# Altium PCB CC-B00-V00.PcbDoc (part 2 of 3)
Units mil, origin at the board's own origin, x right, y up, seen from the top; angles counter-clockwise.
Board outline 4330.71 x 2618.11 mil, 2 copper layers (Top Layer, Bottom Layer), stack 61.8 mil thick; 271 components, 197 nets, 827 pads, 294 vias.
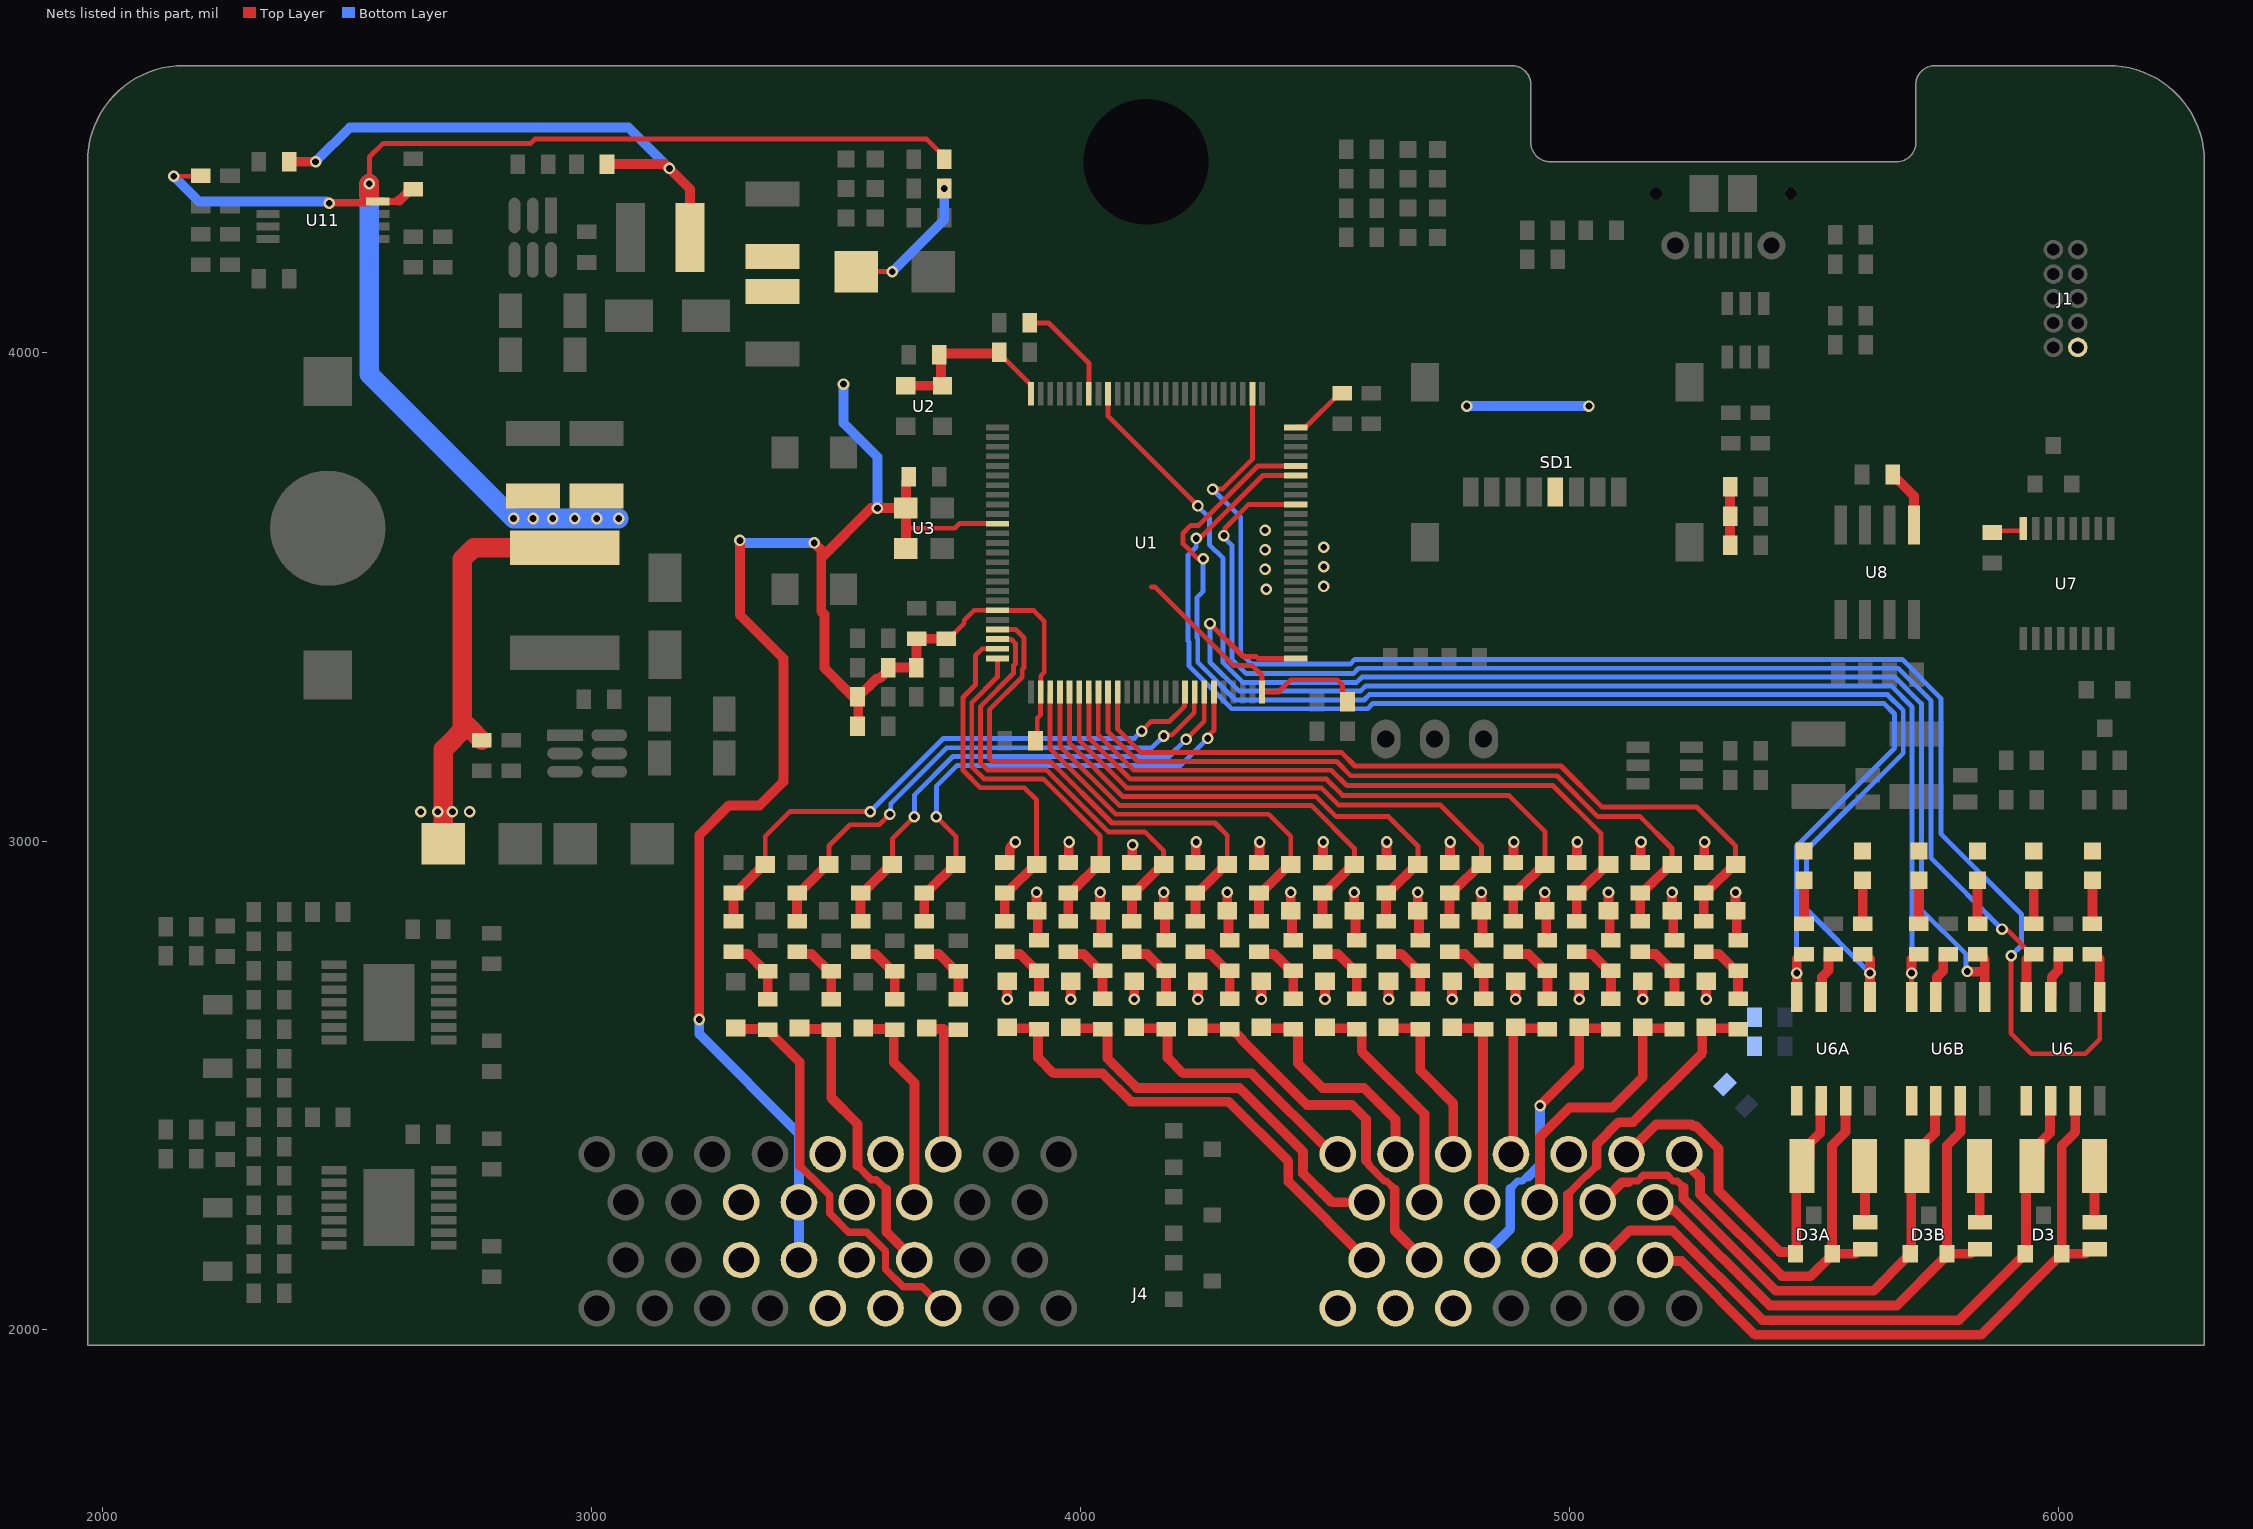
[diagram p2: the nets of this part, all layers, seen from the top]

## Part data
C1 C38: library part "4u7 50V 5% X7R 0603", "Capacitor, Ceramic, SMD, 4u7, 50V, 5%, X7R, 0603"
C2 C3 C4 C5 C6 C8 C12 C13 C17 C18 C19 C23 C24 C25 C25A C25B C37 C40 C41 C42 C44 C45 C47 C48 C49 C50 C51 C52 C53: library part "100nF 50V 5% X7R 0603", "Capacitor, Ceramic, SMD, 100nF, 50V, 5%, X7R, 0603"
C7 C39 C43: library part "1uF 25V 5% X7R 0603", "Capacitor, Ceramic, SMD, 1uF, 25V, 5%, X7R, 0603"
C9 C14 C15 C20 C21 C26A C26B C26C C26D C26E C26F C26G C26H C26I C26J C26K C26L C46A C46B C46C C46D: library part "10nF 50V 5% X7R 0603", "Capacitor, Ceramic, SMD, 10nF, 50V, 5%, X7R, 0603"
C10 C11: library part "2u2 25V 5% X7R 0603", "Capacitor, Ceramic, SMD, 2u2, 25V, 5%, X7R, 0603"
C16 C22: library part "47nF 50V 5% X7R 0603", "Capacitor, Ceramic, SMD, 47nF, 50V, 5%, X7R, 0603"
C27 C32: library part "100nF 100V 5% X7R 0603", "Capacitor, Ceramic, SMD, 100nF, 100V, 5%, X7R, 0603"
C28 C29 C33 C34: library part "22uF 35V 10% X7R 1206", "Capacitor, Ceramic, SMD, 22uF, 35V, 10%, X7R, 1206"
C30 C31 C35 C36: library part "47uF 16V 10% X7R 1210", "Capacitor, Ceramic, SMD, 47uF, 16V, 5%, X7R, 1210"
D1 D2: "Diode, SMD, Zenner, 3.3V, 2%, 410mW, SOD-123", ComponentLink1Description=Digikey, ComponentLink1URL=https://www.digikey.com.au/product-detail/en/vishay-semiconductor-diodes-division/BZT52B3V3-G3-08/BZT52B3V3-G3-08GICT-ND/8284035, ComponentLink2Description=Datasheet, ComponentLink2URL=https://www.vishay.com/docs/83340/bzt52g.pdf
D9A D9B D9C D9D D9E D9F D9G D9H D9I D9J D9K D9L D18A D18B D18C D18D: "Diode, SMD, Zenner, 3.3V, 2%, 410mW, SOD-323F", ComponentLink1Description=Digikey, ComponentLink1URL=https://www.digikey.com.au/product-detail/en/on-semiconductor/MM3Z3V3B/MM3Z3V3BCT-ND/1626881
D10A D10B D10C D10D D10E D10F D10G D10H D10I D10J D10K D10L D19A D19B D19C D19D: "12V Clamp 3.5A (8/20µs) Ipp Tvs Diode Surface Mount SOD-323"
D11 D13: "Diode, Schottky Barrier Rectifier, 60 V, 2 A, B260A-13-F"
D12 D14 D15: "Diode, SMD, TVS Diode, 15V 24.4V, DO214AA/SMB", ComponentLink1Description=Digikey, ComponentLink1URL=https://www.digikey.com.au/product-detail/en/littelfuse-inc/SMBJ15CA/SMBJ15CALFCT-ND/285983, ComponentLink2Description=Datasheet, ComponentLink2URL=https://www.littelfuse.com/~/media/electronics/datasheets/tvs_diodes/littelfuse_tvs_diode_smbj_datasheet.pdf.pdf
D16 D17: "Very low capacitance ESD protection, 3.5 pF, -40 to 125 degC, 6-Pin SOT23, RoHS, Tape and Reel"
DS1.2 DS1A DS1B DS2A DS2B DS2C: library part "LED BLUE 0603"
DS10: "Blue, Red 465nm Blue, 630nm Red LED Indication - Discrete 3.3V Blue, 1.95V Red Radial", ComponentLink1Description=Digikey, ComponentLink1URL=https://www.digikey.com.au/product-detail/en/sunled/XLMDKCBD34M/1497-1307-ND/4901632
J2: "Battery Retainer Coin, 12.0mm 1 Cell SMD (SMT) Tab"
J3A J3B J3C J7 J8: library part "Jumper 2Way Side Solderable", "Jumper 2Way Side Solderable"
J4: "Connector Header Through Hole, Right Angle 60 position 0.118\" (3.00mm)", ComponentLink1Description=Digikey, ComponentLink1URL=https://www.digikey.com.au/products/en?keywords=3-6437285-2, ComponentLink2Description=TE, ComponentLink2URL=https://www.te.com/global-en/product-3-6437285-2.html
J5: "Micro-USB B Receptacle, Right Angle, Bottom Mount, Surface Mount, with Solder Tabs, -30 to 85 degC, 5-Pin USB, RoHS, Tape and Reel"
J6 J9: library part "Jumper 2Way Vert Solderable", "Jumper 2Way Vert Solderable"
L1 L4: library part "10uH, 10%, 0603", "10uH, 10%, 0603", ComponentLink1Description=Digikey, ComponentLink1URL=https://www.digikey.com.au/product-detail/en/w%C3%BCrth-elektronik/74404064221/732-7261-1-ND/5353241, ComponentLink2Description="LCSC A", ComponentLink2URL=https://lcsc.com/product-detail/Power-Inductors_Sunlord-SWPA6045S221MT_C91047.html, ComponentLink3Description="LCSC B", ComponentLink3URL=https://lcsc.com/product-detail/Power-Inductors_SXN-Shun-Xiang-Nuo-Elec-SMNR6045-221MT_C467145.html
L2: "47µH Semi-Shielded Wirewound Inductor 600mA 620mOhm Nonstandard", ComponentLink1Description=Digikey, ComponentLink1URL=https://www.digikey.com/product-detail/en/w%C3%BCrth-elektronik/74404042470/732-5512-1-ND/4865405, ComponentLink2Description="LCSC A", ComponentLink2URL=https://lcsc.com/product-detail/Power-Inductors_Sunlord-SWPA6045S221MT_C91047.html, ComponentLink3Description="LCSC B", ComponentLink3URL=https://lcsc.com/product-detail/Power-Inductors_SXN-Shun-Xiang-Nuo-Elec-SMNR6045-221MT_C467145.html
L3: "FIXED IND 220UH 660MA 850 MOHM", ComponentLink1Description=Digikey, ComponentLink1URL=https://www.digikey.com.au/product-detail/en/w%C3%BCrth-elektronik/74404064221/732-7261-1-ND/5353241, ComponentLink2Description="LCSC A", ComponentLink2URL=https://lcsc.com/product-detail/Power-Inductors_Sunlord-SWPA6045S221MT_C91047.html, ComponentLink3Description="LCSC B", ComponentLink3URL=https://lcsc.com/product-detail/Power-Inductors_SXN-Shun-Xiang-Nuo-Elec-SMNR6045-221MT_C467145.html
LOGO1: library part "QUTMS Logo 10mm"
LOGO2: library part "QUTMS Logo 30mm"
R1: "Resistor, SMD, 4k7, 0.1W, 5%, 0603"
R2 R3 R4 R5 R6 R7 R10 R11 R12 R13 R14 R15: library part "4k7 5% 0603", "Resistor, SMD, 4k7, 0.1W, 5%, 0603"
R8 R16: library part "1k2 5% 0603", "Resistor, SMD, 1k2, 0.1W, 5%, 0603"
R9 R17: library part "47R 5% 0603", "Resistor, SMD, 47R, 0.1W, 5%, 0603"
R18 R18A R18B R19 R19A R19B: "Resistor, SMD, 330R, 0.1W, 5%, 0603"
R20 R20A R20B R57 R58: "Resistor, SMD, 120R, 0.25W, 1%, 1210"
R21 R22 R27 R30 R35 R39 R40 R41 R43 R55 R56: library part "1k 5% 0603", "Resistor, SMD, 1k, 0.1W, 5%, 0603"
R23A R23B R23C R23D R23E R23F R23G R23H R23I R23J R23K R23L R33 R52A R52B R52C R52D: library part "15k 5% 0603", "Resistor, SMD, 15k, 0.1W, 5%, 0603"
R24A R24B R24C R24D R24E R24F R24G R24H R24I R24J R24K R24L R32 R45 R46 R53A R53B R53C R53D R59: library part "10k 5% 0603", "Resistor, SMD, 10k, 0.1W, 5%, 0603"
R25A R25B R25C R25D R25E R25F R25G R25H R25I R25J R25K R25L R54A R54B R54C R54D: library part "22k 5% 0603", "Resistor, SMD, 22k, 0.1W, 5%, 0603"
R26: library part "64k9 1% 0603", "Resistor, SMD, 64k9, 0.1W, 5%, 0603"
R28: library part "19k6 1% 0603", "Resistor, SMD, 19k6, 0.1W, 5%, 0603"
R29: library part "111k 1% 0603", "Resistor, SMD, 111k, 0.1W, 5%, 0603"
R31: library part "20k 1% 0603", "Resistor, SMD, 20k, 0.1W, 1%, 0603"
R34 R36: library part "22R 5% 0603", "Resistor, SMD, 22R, 0.1W, 5%, 0603"
R37 R38 R42: library part "100k 5%, 0603", "Resistor, SMD, 100k, 0.1W, 5%, 0603"
R44 R48 R50: "Resistor, SMD, DNF, 0.1W, 0603"
R47 R51: library part "0R 5% 0603", "Resistor, SMD, 0R, 0.1W, 5%, 0603"
R49: library part "820R 5% 0603", "Resistor, SMD, 820R, 0.1W, 5%, 0603"
SD1: "MicroSD Card Connector, Hinge Type, -40 to 85 degC, 8-Pin SMD, RoHS, Tape and Reel"
SW1: "Standard 4.5mm X 4.5mm momentary button", ComponentLink1Description=LCSC, ComponentLink1URL=https://lcsc.com/product-detail/Tactile-Switches_BRIGHT-TSA063G50-250_C294565.html
U1: "ARM® Cortex®-M7 STM32F7 Microcontroller IC 32-Bit 216MHz 2MB (2M x 8) FLASH 100-LQFP (14x14)", ComponentLink1Description=Digikey, ComponentLink1URL=https://www.digikey.com/product-detail/en/stmicroelectronics/STM32F765VIT6/497-16631-ND/6137842, ComponentLink2Description=Datasheet
U2: "32.768kHz XO (Standard) CMOS Oscillator 1.8V ~ 3.3V 4-SMD, No Lead"
U3: "8MHz XO (Standard) CMOS Oscillator 1.8 ~ 3.3V Standby (Power Down) 4-SMD, No Lead"
U4 U5: "Power Switch/Driver 1:1 N-Channel 3A PG-TSDSO-14-22", ComponentLink1Description=Digikey, ComponentLink1URL=https://www.digikey.com/product-detail/en/infineon-technologies/BTS70802EPAXUMA1/BTS70802EPAXUMA1CT-ND/8346497, ComponentLink2Description=Datasheet, ComponentLink2URL=https://www.infineon.com/dgdl/Infineon-BTS7080-2EPA-DataSheet-v01_06-EN.pdf?fileId=5546d4625e763904015e941bf21e2dbe
U7: "MAX3232CPWR - IC, LINE DRIVER, 3-5.5V, SMD"
U8: "IC, RS422/RS485 TRANSCEIVER, 3.6V, SOIC8"
U11: "OR Controller Source Selector Switch N-Channel 2:1 8-TSSOP", ComponentLink1Description=Digikey, ComponentLink1URL=https://www.digikey.com.au/product-detail/en/texas-instruments/TPS2115AIPWRQ1/296-24155-1-ND/2000840
D3 D3A D3B D4 D5 D6 D7 D8: ComponentLink1Description=Datasheet, ComponentLink1URL=https://www.onsemi.cn/PowerSolutions/document/NUP2105L-D.PDF, ComponentLink2Description=LCSC, ComponentLink2URL=https://lcsc.com/product-detail/TVS_ON-Semiconductor-NUP2105LT1G_C14486.html, ComponentLink3Description=Digikey, ComponentLink3URL=https://www.digikey.com.au/product-detail/en/on-semiconductor/SZNUP2105LT1G/SZNUP2105LT1GOSCT-ND/3487669
U6 U6A U6B: ComponentLink1Description=LCSC, ComponentLink1URL=https://lcsc.com/product-detail/CAN-ICs_Texas-Instruments_SN65HVD233DRG4_Texas-Instruments-Texas-Instruments-SN65HVD233DRG4_C61643.html, ComponentLink2Description=Digikey, ComponentLink2URL=https://www.digikey.com.au/product-detail/en/texas-instruments/SN65HVD233DR/296-35967-1-ND/4134960, ComponentLink3Description=Datasheet, ComponentLink3URL=https://www.ti.com/lit/ds/symlink/sn65hvd233.pdf?ts=1588560888178, ComponentLink4Description="Ti Product Page", ComponentLink4URL=https://www.ti.com/product/SN65HVD233

## Free pads (board coordinates)
  round 0 hole 255.91 mask+39.37: A35(4133.86,4389.76)

## Via types
v1: diameter 23.62, hole 13.78, Top Layer to Bottom Layer, tented both sides, 294 vias

## Nets (pads, with @x,y where several pads share a name; then routed paths per layer and width w, separated by ;. In a path a pad name is that pad's centre, name@x,y a point inside that pad or via, vN(x,y) a via of type N, cw(c..) or ccw(c..) an arc to the next point about the centre after c; other vN are vias at no path point)
3V3: C1.2 C2.2 C3.2 C4.2 C5.2 C6.2 C7.2 C8.2 C25.2 C25A.2 C25B.2 C30.2 C31.2 C38.2 C39.2 C40.2 C42.1 C51.1 C52.2 C53.2 D12.K DS1.2.1 DS1A.1 DS1B.1 DS2A.1 DS2B.1 DS2C.1 J1.1 J4.B13 J4.B21 L1.1 L2.2 R1.2 R26.2 R27.2 R46.2 SD1.4 U1.11 U1.20 U1.27 U1.50 U1.75 U1.100 U2.1 U2.4 U3.1 U3.4 U6.3 U6A.3 U6B.3 U7.16 U8.1 | length 7211.4
  Top Layer w10: D12.K@3541.26,4165 v1(3615,4165) ; 3642.6,3640 3742.78,3640 3752.19,3649.41 U1.11@3829.88,3649.41 ; R27.2@3721.24,4350 R27.2@3726.24,4345 ; C1.2@3725,3413.76 3730,3413.76 3762,3445.76 3762,3452 3782.25,3472.25 U1.20@3829.88,3472.25 3830.66,3471.47 3904.37,3471.47 3925.77,3450.06 3925.77,3345.43 3918.46,3338.12 U1.27@3918.46,3304.92 3917.68,3304.14 3917.68,3257.68 3911.45,3251.45 3911.45,3208.65 C3.2@3907.69,3204.89 ; C6.2@3833.76,3995 3843.76,3985 3846.65,3985 3898.77,3932.88 U1.100@3898.77,3915.16 ; 4145,3520 4151.89,3520 4312.35,3359.55 4350.59,3359.55 4371.22,3338.92 U1.50@4371.22,3304.92 4404.92,3304.92 4430,3330 4525,3330 4536.24,3318.76 4536.24,3295 C4.2@4546.24,3285 ; U1.75@4440.11,3846.26 4441.02,3847.17 4460.93,3847.17 4530,3916.24 C5.2@4535,3916.24 ; C42.1@5865,3631.24 5868.76,3635 5925.33,3635 5928.2,3637.87 U7.16@5928.2,3639.11
  Top Layer w20: R46.2@2381.24,4390 v1(2435,4390) ; R26.2@3027.62,4385 3149.02,4385 3157.94,4376.08 v1(3158.92,4376.08) 3201.02,4333.98 L2.2@3201.02,4235 ; v1(3220,2635) 3220,3012.77 3280.23,3073 3343.4,3073 3392,3121.6 3392,3373.4 3303.19,3462.21 v1(3303.19,3615) ; v1(3455,3610) 3469.5,3595.5 3469.5,3579.5 ; C7.2@3545,3235 C8.2@3545,3295 ; 3571.34,3681.34 3469.5,3579.5 ; v1@3584.39,3681.34 U3.1@3642.6,3681.34 ; U3.4@3642.6,3598.66 3642.6,3640 U3.1@3642.6,3681.34 ; U2.1@3642.6,3931.34 U2.4@3717.4,3931.34 3714.32,3934.42 3714.32,3991.92 C52.2@3711.24,3995 3713.74,3997.5 3831.26,3997.5 C6.2@3833.76,3995 ; C53.2@3648.76,3745 3648.76,3740 3642.6,3733.83 U3.1@3642.6,3681.34 ; v1(3721.24,4335) 3721.24,4340 R27.2@3726.24,4345 ; C1.2@3725,3413.76 C2.2@3665,3413.76 3664.38,3413.15 3664.38,3355.62 L1.1@3663.76,3355 R1.2@3606.24,3355 3606.24,3350 3589.24,3333 3583,3333 C8.2@3545,3295 ; C40.2@5328.76,3605 C39.2@5328.76,3665 C38.2@5328.76,3725 ; U6A.3@5514.93,2681.28 5516.74,2683.09 5516.74,2721.74 5530,2735 5530,2763.76 5535,2768.76 C25A.2@5540,2768.76 ; C51.1@5661.24,3750 5661.24,3745 5666.24,3740 5671.24,3740 5705,3706.24 U8.1@5705,3647.05 ; U6B.3@5749.93,2681.28 5751.74,2683.09 5751.74,2721.74 5765,2735 5765,2763.76 5770,2768.76 C25B.2@5775,2768.76 ; U6.3@5984.93,2681.28 5986.74,2683.09 5986.74,2721.74 6000,2735 6000,2763.76 6005,2768.76 C25.2@6010,2768.76 ; 3469.5,3579.5 3469.5,3470 3476,3463.5 3476,3354 3535,3295 C8.2@3545,3295
  Bottom Layer w20: v1(2435,4390) 2505,4460 3075,4460 v1(3158.92,4376.08) ; v1(3220,2635) 3220,2605 3423.86,2401.14 J4.B13@3423.86,2261.12 J4.B21@3423.86,2143.01 ; v1(3303.19,3615) 3304.17,3615 3309.17,3610 v1(3455,3610) ; v1(3515,3935) 3515,3855 3584.39,3785.61 v1(3584.39,3681.03) ; v1(3615,4165) 3721.24,4271.24 v1(3721.24,4335) ; v1(4790,3890) v1(5040,3890)
  other v1: 4380,3515 4497.5,3521.02 4377.5,3556.02 4497.5,3561.02 4377.5,3596.02 4497.5,3601.02 4377.5,3636.02
5V: C35.2 C36.2 C45.2 D15.K J4.B12 J4.B20 L3.2 R29.2 R30.2 R47.2 U11.8 | length 3759.6
  Top Layer w10: v1(2145,4360) 2198.76,4360 R47.2@2200,4361.24 ; v1(2545,4345) 2545,4399.54 2572.46,4427 2874.4,4427 2883.4,4436 3685.24,4436 3711.24,4410 R30.2@3721.24,4410 ; U11.8@2572.13,4308.39 U11.8@2573.74,4310 ; C45.2@2630,4333.76 C45.2@2635,4333.76
  Top Layer w15: v1(2462.92,4305) 2464.09,4306.17 2542.78,4306.17 2545,4308.39 U11.8@2562.2,4308.39 ; U11.8@2562.2,4310 U11.8@2573.74,4310 ; U11.8@2572.13,4308.39 2602.51,4308.39 2604.62,4310.5
  Top Layer w20: 2604.62,4310.5 2606.74,4310.5 C45.2@2630,4333.76
  Top Layer w40: 2545,4322.31 v1(2545,4345) ; D15.K@2696.26,2995 2696.26,3060 2696.26,3187.5 2745,3236.24 2755,3226.24 R29.2@2775,3206.24 ; 2735,3226.24 2735,3576.57 2758.43,3600 L3.2@2945,3600
  Bottom Layer w20: v1(2145,4360) 2196.61,4308.39 2456.61,4308.39 2460,4305 v1(2462.92,4305)
  Bottom Layer w40: v1(2545,4345) 2545,3955 v1(2840,3660) v1(2880,3660) v1(2920,3660) v1(2965,3660) v1(3010,3660) v1(3055,3660)
  other v1: 2650,3060 2685,3060 2715,3060 2750,3060
ADIVIDEA: R23A.1 R24A.2 R25A.2 | length 143.6
  Top Layer w20: R24A.2@4105,2773.76 4110,2768.76 4136.24,2768.76 4170,2735 R25A.2@4175,2735 R23A.1@4175,2677.47
ADIVIDEB: R23B.1 R24B.2 R25B.2 | length 143.6
  Top Layer w20: R24B.2@4365,2773.76 4370,2768.76 4396.24,2768.76 4430,2735 R25B.2@4435,2735 R23B.1@4435,2677.47
ADIVIDEC: R23C.1 R24C.2 R25C.2 | length 143.6
  Top Layer w20: R24C.2@4625,2773.76 4630,2768.76 4656.24,2768.76 4690,2735 R25C.2@4695,2735 R23C.1@4695,2677.47
ADIVIDED: R23D.1 R24D.2 R25D.2 | length 143.6
  Top Layer w20: R24D.2@4885,2773.76 4890,2768.76 4916.24,2768.76 4950,2735 R25D.2@4955,2735 R23D.1@4955,2677.47
ADIVIDEE: R23E.1 R24E.2 R25E.2 | length 143.6
  Top Layer w20: R24E.2@3975,2773.76 3980,2768.76 4006.24,2768.76 4040,2735 R25E.2@4045,2735 R23E.1@4045,2677.47
ADIVIDEF: R23F.1 R24F.2 R25F.2 | length 143.6
  Top Layer w20: R24F.2@4495,2773.76 4500,2768.76 4526.24,2768.76 4560,2735 R25F.2@4565,2735 R23F.1@4565,2677.47
ADIVIDEG: R23G.1 R24G.2 R25G.2 | length 143.6
  Top Layer w20: R24G.2@4755,2773.76 4760,2768.76 4786.24,2768.76 4820,2735 R25G.2@4825,2735 R23G.1@4825,2677.47
ADIVIDEH: R23H.1 R24H.2 R25H.2 | length 143.6
  Top Layer w20: R24H.2@5145,2773.76 5150,2768.76 5176.24,2768.76 5210,2735 R25H.2@5215,2735 R23H.1@5215,2677.47
ADIVIDEI: R23I.1 R24I.2 R25I.2 | length 143.6
  Top Layer w20: R24I.2@3845,2773.76 3850,2768.76 3876.24,2768.76 3910,2735 R25I.2@3915,2735 R23I.1@3915,2677.47
ADIVIDEJ: R23J.1 R24J.2 R25J.2 | length 143.6
  Top Layer w20: R24J.2@4235,2773.76 4240,2768.76 4266.24,2768.76 4300,2735 R25J.2@4305,2735 R23J.1@4305,2677.47
ADIVIDEK: R23K.1 R24K.2 R25K.2 | length 143.6
  Top Layer w20: R24K.2@5015,2773.76 5020,2768.76 5046.24,2768.76 5080,2735 R25K.2@5085,2735 R23K.1@5085,2677.47
ADIVIDEL: R23L.1 R24L.2 R25L.2 | length 143.6
  Top Layer w20: R24L.2@5275,2773.76 5280,2768.76 5306.24,2768.76 5340,2735 R25L.2@5345,2735 R23L.1@5345,2677.47
AGND: C26A.1 C26B.1 C26C.1 C26D.1 C26E.1 C26F.1 C26G.1 C26H.1 C26I.1 C26J.1 C26K.1 C26L.1 D9A.A D9B.A D9C.A D9D.A D9E.A D9F.A D9G.A D9H.A D9I.A D9J.A D9K.A D9L.A D10A.A D10B.A D10C.A D10D.A D10E.A D10F.A D10G.A D10H.A D10I.A D10J.A D10K.A D10L.A J4.A5 J4.A20 J4.A21 J4.A22 L4.2 R25A.1 R25B.1 R25C.1 R25D.1 R25E.1 R25F.1 R25G.1 R25H.1 R25I.1 R25J.1 R25K.1 R25L.1 R44.2 R45.2 | length 2158.2
  Top Layer w20: C26I.1@3845,2956.24 3850,2956.24 3855,2961.24 3855,2985.4 3866.81,2997.21 v1(3866.81,2998.19) ; v1(3850,2676.24) D10I.A@3850,2713.48 ; v1(3910,2895) D9I.A@3910,2857.76 3912.5,2855.26 3912.5,2799.97 R25I.1@3915,2797.47 ; C26E.1@3975,2956.24 3975.77,2957 3975.77,2997.5 v1(3976.46,2998.19) ; v1(3980,2676.24) D10E.A@3980,2713.48 ; v1(4040,2895) D9E.A@4040,2857.76 4042.5,2855.26 4042.5,2799.97 R25E.1@4045,2797.47 ; C26A.1@4105,2956.24 4105.77,2957 4105.77,2991.5 v1(4106.46,2992.19) ; v1(4110,2676.24) D10A.A@4110,2713.48 ; v1(4170,2895) D9A.A@4170,2857.76 4172.5,2855.26 4172.5,2799.97 R25A.1@4175,2797.47 ; C26J.1@4235,2956.24 4235.77,2957 4235.77,2997.5 v1(4236.46,2998.19) ; v1(4240,2676.24) D10J.A@4240,2713.48 ; v1(4300,2895) D9J.A@4300,2857.76 4302.5,2855.26 4302.5,2799.97 R25J.1@4305,2797.47 ; C26B.1@4365,2956.24 4365.77,2957 4365.77,2997.5 v1(4366.46,2998.19) ; v1(4370,2676.24) D10B.A@4370,2713.48 ; v1(4430,2895) D9B.A@4430,2857.76 4432.5,2855.26 4432.5,2799.97 R25B.1@4435,2797.47 ; C26F.1@4495,2956.24 4495.77,2957 4495.77,2997.5 v1(4496.46,2998.19) ; v1(4500,2676.24) D10F.A@4500,2713.48 ; v1(4560,2895) D9F.A@4560,2857.76 4562.5,2855.26 4562.5,2799.97 R25F.1@4565,2797.47 ; C26C.1@4625,2956.24 4625.77,2957 4625.77,2997.5 v1(4626.46,2998.19) ; v1(4630,2676.24) D10C.A@4630,2713.48 ; v1(4690,2895) D9C.A@4690,2857.76 4692.5,2855.26 4692.5,2799.97 R25C.1@4695,2797.47 ; C26G.1@4755,2956.24 4755.77,2957 4755.77,2997.5 v1(4756.46,2998.19) ; v1(4760,2676.24) D10G.A@4760,2713.48 ; v1(4820,2895) D9G.A@4820,2857.76 4822.5,2855.26 4822.5,2799.97 R25G.1@4825,2797.47 ; C26D.1@4885,2956.24 4885.77,2957 4885.77,2997.5 v1(4886.46,2998.19) ; v1(4890,2676.24) D10D.A@4890,2713.48 ; v1(4950,2895) D9D.A@4950,2857.76 4952.5,2855.26 4952.5,2799.97 R25D.1@4955,2797.47 ; C26K.1@5015,2956.24 5015.77,2957 5015.77,2997.5 v1(5016.46,2998.19) ; v1(5020,2676.24) D10K.A@5020,2713.48 ; v1(5080,2895) D9K.A@5080,2857.76 5082.5,2855.26 5082.5,2799.97 R25K.1@5085,2797.47 ; C26H.1@5145,2956.24 5145.77,2957 5145.77,2997.5 v1(5146.46,2998.19) ; v1(5150,2676.24) D10H.A@5150,2713.48 ; v1(5210,2895) D9H.A@5210,2857.76 5212.5,2855.26 5212.5,2799.97 R25H.1@5215,2797.47 ; C26L.1@5275,2956.24 5275.77,2957 5275.77,2997.5 v1(5276.46,2998.19) ; v1(5280,2676.24) D10L.A@5280,2713.48 ; v1(5340,2895) D9L.A@5340,2857.76 5342.5,2855.26 5342.5,2799.97 R25L.1@5345,2797.47
AIN1: D10A.K J4.A1 R23A.2 | length 558.8
  Top Layer w20: D10A.K@4110,2618.99 4112,2617 4178,2617 4178,2557 4210,2525 4350,2525 4515.45,2359.55 J4.A1@4526.22,2359.55
AIN2: D10B.K J4.A2 R23B.2 | length 461.5
  Top Layer w20: D10B.K@4370,2618.99 4372,2617 4433,2617 R23B.2@4435,2615 4440,2615 4445,2610 4445,2545 4495,2495 4580,2495 4644.33,2430.67 J4.A2@4644.33,2359.55
AIN3: D10C.K J4.A3 R23C.2 | length 350
  Top Layer w20: D10C.K@4630,2618.99 4632,2617 4693,2617 R23C.2@4695,2615 4695,2530.94 4762.44,2463.5 J4.A3@4762.44,2359.55
AIN4: D10D.K J4.A4 R23D.2 | length 330
  Top Layer w20: J4.A4@4880.55,2359.55 4885.27,2364.27 4885.27,2614.27 D10D.K@4890,2618.99 4892,2617 4953,2617 R23D.2@4955,2615
AIN5: D10E.K J4.A8 R23E.2 | length 812.1
  Top Layer w20: D10E.K@3980,2618.99 3982,2617 4043,2617 R23E.2@4045,2615 4050,2615 4055,2610 4055,2555 4115,2495 4325,2495 4455,2365 4455,2320 4513.88,2261.12 J4.A8@4585.28,2261.12
AIN6: D10F.K J4.A9 R23F.2 | length 480.8
  Top Layer w20: D10F.K@4500,2618.99 4502,2617 4563,2617 R23F.2@4565,2615 4570,2615 4575,2610 4575,2570 4703.39,2441.61 J4.A9@4703.39,2261.12
AIN7: D10G.K J4.A10 R23G.2 | length 425.4
  Top Layer w20: D10G.K@4760,2618.99 4762,2617 4823,2617 4823.05,2616.95 4823.05,2257.68 J4.A10@4821.5,2256.12
AIN8: D10H.K J4.A11 R23H.2 | length 568.4
  Top Layer w20: J4.A11@4939.61,2256.12 4939.61,2394.61 5000,2455 5088.28,2455 5150,2516.72 D10H.K@5150,2618.99 5152,2617 5213,2617 R23H.2@5215,2615
AIN9: D10I.K J4.A14 R23I.2 | length 992
  Top Layer w20: D10I.K@3850,2618.99 3852,2617 3913,2617 3913,2557 3945,2525 4045,2525 4103,2467 4303,2467 4425,2345 4425,2303.29 J4.A14@4585.28,2143.01
AIN10: D10J.K J4.A15 R23J.2 | length 763.1
  Top Layer w15: 4583.72,2346.83 4589.33,2341.22 4589.33,2336.77 4621.55,2304.55 4626,2304.55 4642.78,2287.77
  Top Layer w20: D10J.K@4240,2618.99 4242,2617 4303,2617 R23J.2@4305,2615 4310,2615 4330,2595 4330,2592.99 4462.99,2460 4555,2460 4583.72,2431.28 4583.72,2346.83 ; 4642.78,2287.77 4642.78,2203.62 J4.A15@4703.39,2143.01
AIN11: D10K.K J4.A16 R23K.2 | length 631.4
  Top Layer w20: v1(4940,2458.68) 5020,2538.68 D10K.K@5020,2618.99 5022,2617 5083,2617 R23K.2@5085,2615
  Bottom Layer w15: 4879,2289 4894.55,2304.55 4903.33,2304.55 4912.41,2313.62 4915.79,2313.62
  Bottom Layer w20: J4.A16@4821.5,2143.65 4821.5,2148.65 4879,2206.15 4879,2289 ; 4915.79,2313.62 4915.94,2313.62 4940,2337.68 v1(4940,2458.68)
AIN12: D10L.K J4.A17 R23L.2 | length 706.2
  Top Layer w15: 4997.11,2276.83 5002.72,2282.44 5002.72,2283.91 5034.93,2316.12 5036.4,2316.12 5056.16,2335.89
  Top Layer w20: J4.A17@4939.61,2138.01 4997.11,2195.51 4997.11,2276.83 ; 5056.16,2335.89 5056.16,2380.25 5100.91,2425 5130,2425 5271.92,2566.92 5271.92,2613.2 5275.72,2617 5343,2617 R23L.2@5345,2615
AOUT1: C26A.2 D9A.K R24A.1 U1.23 | length 938.6
  Top Layer w10: U1.23@3829.88,3413.19 3830.66,3412.41 3858.88,3412.41 3866.5,3404.8 3866.5,3362.53 3862.77,3358.81 3862.77,3343.23 3795.48,3275.93 3795.48,3159.52 3809.82,3145.18 3930.72,3145.18 4056.9,3019 4131,3019 4170,2980 D9A.K@4170,2952.24
  Top Layer w20: R24A.1@4105,2836.24 C26A.2@4105,2893.76 4110,2893.76 4115,2898.76 4115,2899.53 4167.72,2952.24 D9A.K@4170,2952.24
AOUT2: C26B.2 D9B.K R24B.1 U1.28 | length 887.3
  Top Layer w10: U1.28@3938.14,3304.92 3937.83,3304.61 3937.83,3188.98 4071.81,3055 4385,3055 4430,3010 D9B.K@4430,2952.24
  Top Layer w20: R24B.1@4365,2836.24 C26B.2@4365,2893.76 4370,2893.76 4375,2898.76 4375,2899.53 4427.72,2952.24 D9B.K@4430,2952.24
AOUT3: C26C.2 D9C.K R24C.1 U1.30 | length 1089.2
  Top Layer w10: U1.30@3977.51,3304.92 3977.51,3200.21 4086.72,3091 4482.24,3091 4523.24,3050 4630,3050 4690,2990 D9C.K@4690,2952.24
  Top Layer w20: R24C.1@4625,2836.24 C26C.2@4625,2893.76 4630,2893.76 4635,2898.76 4635,2899.53 4687.72,2952.24 D9C.K@4690,2952.24
AOUT4: C26D.2 D9D.K R24D.1 U1.32 | length 1320.7
  Top Layer w10: U1.32@4016.89,3304.92 4016.89,3211.75 4101.63,3127 4502.81,3127 4536.15,3093.67 4876.33,3093.67 4950,3020 D9D.K@4950,2952.24
  Top Layer w20: R24D.1@4885,2836.24 C26D.2@4885,2893.76 4890,2893.76 4895,2898.76 4895,2899.53 4947.72,2952.24 D9D.K@4950,2952.24
AOUT5: C26E.2 D9E.K R24E.1 U1.25 | length 770
  Top Layer w10: U1.25@3829.88,3373.82 3829.88,3335.79 3777.48,3283.39 3777.48,3152.07 3802.37,3127.18 3923.27,3127.18 4040,3010.44 D9E.K@4040,2952.24
  Top Layer w20: R24E.1@3975,2836.24 C26E.2@3975,2893.76 3980,2893.76 3985,2898.76 3985,2899.53 4037.72,2952.24 D9E.K@4040,2952.24
AOUT6: C26F.2 D9F.K R24F.1 U1.29 | length 979.3
  Top Layer w10: U1.29@3957.83,3304.92 3957.83,3194.44 4079.27,3073 4471.96,3073 4560,2984.96 D9F.K@4560,2952.24
  Top Layer w20: R24F.1@4495,2836.24 C26F.2@4495,2893.76 4500,2893.76 4505,2898.76 4505,2899.53 4557.72,2952.24 D9F.K@4560,2952.24
AOUT7: C26G.2 D9G.K R24G.1 U1.31 | length 1196.2
  Top Layer w10: U1.31@3997.2,3304.92 3997.2,3205.98 4094.18,3109 4492.53,3109 4527.86,3073.67 4736.33,3073.67 4820,2990 D9G.K@4820,2952.24
  Top Layer w20: R24G.1@4755,2836.24 C26G.2@4755,2893.76 4760,2893.76 4765,2898.76 4765,2899.53 4817.72,2952.24 D9G.K@4820,2952.24
AOUT8: C26H.2 D9H.K R24H.1 U1.34 | length 1510.5
  Top Layer w10: U1.34@4056.26,3301.38 4056.26,3223.29 4116.54,3163 4523.61,3163 4552.94,3133.67 4974.62,3133.67 5058.28,3050 5144.96,3050 5210,2984.96 D9H.K@5210,2952.24
  Top Layer w20: R24H.1@5145,2836.24 C26H.2@5145,2893.76 5150,2893.76 5155,2898.76 5155,2899.53 5207.72,2952.24 D9H.K@5210,2952.24
AOUT9: C26I.2 D9I.K R24I.1 U1.24 | length 751.1
  Top Layer w10: U1.24@3829.88,3393.51 3798.51,3393.51 3785,3380 3785,3320 3759.48,3294.48 3759.48,3144.61 3794.91,3109.18 3885,3109.18 3910,3084.18 D9I.K@3910,2952.24
  Top Layer w20: R24I.1@3845,2836.24 C26I.2@3845,2893.76 3850,2893.76 3855,2898.76 3855,2899.53 3907.72,2952.24 D9I.K@3910,2952.24
AOUT10: C26J.2 D9J.K R24J.1 U1.22 | length 1096.2
  Top Layer w10: U1.22@3829.88,3432.88 3867.12,3432.88 3884.5,3415.5 3884.5,3355.08 3880.77,3351.35 3880.77,3335.77 3813.48,3268.48 3813.48,3169.03 3819.33,3163.18 3938.18,3163.18 4064.35,3037 4275,3037 4300,3012 D9J.K@4300,2952.24
  Top Layer w20: R24J.1@4235,2836.24 C26J.2@4235,2893.76 4240,2893.76 4245,2898.76 4245,2899.53 4297.72,2952.24 D9J.K@4300,2952.24
AOUT11: C26K.2 D9K.K R24K.1 U1.33 | length 1415.2
  Top Layer w10: U1.33@4036.57,3304.92 4036.26,3304.61 4036.26,3217.83 4109.09,3145 4513.19,3145 4544.52,3113.67 4966.33,3113.67 5065,3015 5065,2964.96 5077.72,2952.24 D9K.K@5080,2952.24
  Top Layer w20: R24K.1@5015,2836.24 C26K.2@5015,2893.76 5020,2893.76 5025,2898.76 5025,2899.53 D9K.K@5077.72,2952.24
AOUT12: C26L.2 D9L.K R24L.1 U1.35 | length 1624.5
  Top Layer w10: U1.35@4075.94,3304.92 4075.16,3304.15 4075.16,3229.84 4124,3181 4534.03,3181 4561.37,3153.67 4982.9,3153.67 5066.57,3070 5260,3070 5340,2990 D9L.K@5340,2952.24
  Top Layer w20: R24L.1@5275,2836.24 C26L.2@5275,2893.76 5280,2893.76 5285,2898.76 5285,2899.53 5337.72,2952.24 D9L.K@5340,2952.24
BOOT0: R59.2 U1.94 | length 217.5
  Top Layer w10: R59.2@3896.24,4060 3935,4060 4016.89,3978.11 U1.94@4016.89,3915.16
"CAN1 RX": R19A.1 U1.70 U6A.4 | length 2727.9
  Top Layer w10: v1(4236.69,3619.19) 4244.19,3619.19 4372.84,3747.84 U1.70@4440.11,3747.84
  Top Layer w20: U6A.4@5464.93,2681.28 v1(5464.93,2730) 5464.93,2758.7 5475,2768.76 R19A.1@5480,2768.76
  Bottom Layer w10: v1(4236.69,3619.19) 4236.69,3601.65 4220,3584.96 4220,3408.98 4221.62,3407.37 4221.62,3358.38 4309.31,3270.69 4587.35,3270.69 4598.32,3281.67 5643.33,3281.67 5665,3260 5665,3190 5464.93,2989.93 v1(5464.93,2730)
"CAN1 TX": R18A.1 U1.71 U6A.1 | length 2843.9
  Top Layer w10: v1(4250.82,3577.86) 4240.09,3577.86 4209.87,3608.08 4209.87,3630.29 4225.58,3646 4241.45,3646 4362.98,3767.52 U1.71@4440.11,3767.52
  Top Layer w20: R18A.1@5600,2768.76 5605,2768.76 5615,2758.76 v1(5615,2730) 5615,2681.35 U6A.1@5614.93,2681.28
  Bottom Layer w10: v1(4250.82,3577.86) 4250.82,3510.82 4238,3498 4238,3416.44 4239.62,3414.82 4239.62,3365.84 4316.76,3288.69 4579.89,3288.69 4590.86,3299.67 5650.79,3299.67 5683,3267.46 5683,3179.72 5485,2981.72 5485,2860 v1(5615,2730)
"CAN2 RX": R19B.1 U1.51 U6B.4 | length 2408.7
  Top Layer w10: v1(4264.81,3445) 4332.26,3377.55 4358.73,3377.55 4362.46,3373.82 U1.51@4440.11,3373.82 ; U6B.4@5699.93,2681.28 v1(5699.93,2730)
  Top Layer w20: v1(5699.93,2730) 5699.93,2758.7 5710,2768.76 R19B.1@5715,2768.76
  Bottom Layer w10: v1(4264.81,3445) 4264.81,3366.1 4324.22,3306.69 4572.43,3306.69 4583.41,3317.67 5658.24,3317.67 5701,3274.91 5701,2731.07 v1(5699.93,2730)
"CAN2 TX": R18B.1 U1.92 U6B.1 | length 2839.1
  Top Layer w10: U1.92@4056.26,3915.16 4056.26,3869.43 v1(4240,3685.69)
  Top Layer w20: v1(5814.1,2733.48) 5814.79,2732.78 5847.15,2732.78 5849.93,2730 ; R18B.1@5835,2768.76 5840,2768.76 5849.93,2758.83 5849.93,2730 ; U6B.1@5849.93,2681.28 5849.93,2730
  Bottom Layer w10: v1(4240,3685.69) 4240,3685 4263.5,3661.5 4263.5,3606.5 4291.62,3578.38 4291.62,3364.75 4331.67,3324.69 4564.98,3324.69 4575.95,3335.67 5665.7,3335.67 5720,3281.37 5720,2859.93 5811.49,2768.44 v1@5811.49,2733.93
"CAN3 RX": R19.1 U1.67 U6.4 | length 2620.2
  Top Layer w10: v1(4293.31,3625) 4295.61,3627.31 4295.61,3640.61 4343.78,3688.78 U1.67@4440.11,3688.78 ; v1(5885,2820) 5887.61,2817.39 5896.37,2817.39 5945,2768.76 R19.1@5950,2768.76
  Top Layer w20: U6.4@5934.93,2681.28 5934.93,2758.7 R19.1@5945,2768.76
  Bottom Layer w10: v1(4293.31,3625) 4293.31,3621.31 4309.62,3605 4309.62,3372.2 4339.13,3342.69 4557.52,3342.69 4568.5,3353.67 5673.16,3353.67 5740,3286.82 5740,2965 v1(5885,2820)
"CAN3 TX": R18.1 U1.77 U6.1 | length 3235.4
  Top Layer w10: v1(4270,3720) 4290,3720 4351.53,3781.53 U1.77@4351.53,3915.16 ; v1(5903.8,2765.25) 5903.8,2606.2 5945,2565 6055,2565 6084.93,2594.93 U6.1@6084.93,2681.28
  Top Layer w20: R18.1@6070,2768.76 6075,2768.76 6084.93,2758.83 U6.1@6084.93,2681.28
  Bottom Layer w10: v1(4270,3720) 4327.62,3662.38 4327.62,3384.46 4350.08,3362 4551.37,3362 4561.04,3371.67 5680.61,3371.67 5760,3292.28 5760,3015 5925,2850 5925,2786.45 v1(5903.8,2765.25)
"CAN H 1": D3A.2 J3A.1 J4.A7 U6A.7 | length 857.3
  Top Layer w20: J4.A7@5239.43,2355 J4.A7@5234.88,2359.55 5234.88,2344.67 5267.43,2312.12 5267.43,2277.43 5434.85,2110 5493.74,2110 5537.4,2153.66 D3A.2@5537.4,2155.63 ; U6A.7@5564.93,2468.68 5564.93,2404.93 5537.4,2377.4 D3A.2@5537.4,2155.63 ; J3A.1@5605,2165 5595,2165 5585.63,2155.63 D3A.2@5537.4,2155.63
"CAN H 2": D3B.2 J3B.1 J4.A13 U6B.7 | length 1123.5
  Top Layer w20: J4.A13@5175.83,2256.12 5186.35,2245.6 5214.4,2245.6 5410,2050 5670,2050 5766.65,2146.65 5766.65,2149.88 D3B.2@5772.4,2155.63 ; U6B.7@5799.93,2468.68 5799.93,2404.93 5772.4,2377.4 D3B.2@5772.4,2155.63 ; J3B.1@5840,2165 5830,2165 5820.63,2155.63 D3B.2@5772.4,2155.63
"CAN H 3": D3.2 J3C.1 J4.A19 U6.7 | length 1360.7
  Top Layer w20: J4.A19@5175.83,2143.01 5177.98,2140.86 5229.14,2140.86 5380,1990 5841.77,1990 5999.69,2147.91 6001.65,2147.91 6007.4,2153.66 D3.2@6007.4,2155.63 ; U6.7@6034.93,2468.68 6034.93,2404.93 6007.4,2377.4 D3.2@6007.4,2155.63 ; J3C.1@6075,2165 6065,2165 6055.63,2155.63 D3.2@6007.4,2155.63
"CAN L 1": D3A.1 J4.A6 R20A.1 U6A.6 | length 865.3
  Top Layer w20: J4.A6@5116.77,2359.55 5177.22,2420 5250,2420 5252.95,2417.05 5258.7,2417.05 5305,2370.75 5305,2285 5430.54,2159.46 5458.77,2159.46 D3A.1@5462.6,2155.63 5464.25,2157.28 5464.25,2323.24 R20A.1@5476.01,2335 5491.6,2350.59 5491.6,2381.6 5513.12,2403.12 5513.12,2466.87 U6A.6@5514.93,2468.68
"CAN L 2": D3B.1 J4.A12 R20B.1 U6B.6 | length 1143
  Top Layer w15: 5121.33,2302.05 5123.83,2304.55 5139.55,2304.55 5151.13,2316.12 5200.52,2316.12 5212.1,2304.55 5220.45,2304.55 5233.33,2291.67
  Top Layer w20: J4.A12@5057.72,2256.12 5061.33,2256.12 5107.25,2302.05 5121.33,2302.05 ; 5233.33,2291.67 5233.33,2269.1 5422.43,2080 5621.97,2080 5689.88,2147.91 5691.85,2147.91 5696.17,2152.23 5696.17,2154.2 5699.25,2157.28 5699.25,2323.24 5726.6,2350.59 5726.6,2381.6 5748.12,2403.12 5748.12,2466.87 U6B.6@5749.93,2468.68
"CAN L 3": D3.1 J4.A18 R20.1 U6.6 | length 1370.2
  Top Layer w20: J4.A18@5057.72,2138.01 5123.33,2203.62 5211.38,2203.62 5395,2020 5796.97,2020 5924.88,2147.91 5926.85,2147.91 5932.6,2153.66 D3.1@5932.6,2155.63 5934.25,2157.28 5934.25,2323.24 5961.6,2350.59 5961.6,2381.6 5983.12,2403.12 5983.12,2466.87 U6.6@5984.93,2468.68
"CAN LBKA": U6A.5
"CAN LBKB": U6B.5
"CAN LBKC": U6.5
"CAN RX LEDA": DS2A.2 R19A.2 | length 88.8
  Top Layer w20: R19A.2@5480,2831.24 5480,2872.19 DS2A.2@5480,2920
"CAN RX LEDB": DS2B.2 R19B.2 | length 88.8
  Top Layer w20: R19B.2@5715,2831.24 5715,2875.62 DS2B.2@5715,2920
"CAN RX LEDC": DS2C.2 R19.2 | length 150.8
  Top Layer w10: DS2C.2@5937.5,2932.5 DS2C.2@5950,2920 5950,2915 5950,2875.62
  Top Layer w20: R19.2@5950,2831.24 5950,2875.62 DS2C.2@5950,2920
"CAN TERMA": J3A.2 R20A.2 | length 115.4
  Top Layer w20: R20A.2@5603.99,2335 5604.5,2334.5 5604.5,2220.5 J3A.2@5605,2220
"CAN TERMB": J3B.2 R20B.2 | length 115.4
  Top Layer w20: R20B.2@5838.99,2335 5839.5,2334.5 5839.5,2220.5 J3B.2@5840,2220
"CAN TERMC": J3C.2 R20.2 | length 115.4
  Top Layer w20: R20.2@6073.99,2335 6074.5,2334.5 6074.5,2220.5 J3C.2@6075,2220
"CAN TX LEDA": DS1A.2 R18A.2 | length 88.8
  Top Layer w20: R18A.2@5600,2831.24 5600,2875.62 DS1A.2@5600,2920
"CAN TX LEDB": DS1B.2 R18B.2 | length 88.8
  Top Layer w20: R18B.2@5835,2831.24 5835,2875.62 DS1B.2@5835,2920
"CAN TX LEDC": DS1.2.2 R18.2 | length 88.8
  Top Layer w20: R18.2@6070,2831.24 6070,2875.62 DS1.2.2@6070,2920
"CON B5": J4.B5
"CON B6": J4.B6
"CON B14": J4.B14
"CON B22": J4.B22
"CON B30": J4.B30
"CON B31": J4.B31
DDIVIDEA: R52A.1 R53A.2 R54A.2 | length 144.1
  Top Layer w20: R53A.2@3680,2773.76 3685,2768.76 3710,2768.76 3745,2733.76 R54A.2@3750,2733.76 R52A.1@3750,2676.24
DDIVIDEB: R52B.1 R53B.2 R54B.2 | length 144.1
  Top Layer w20: R53B.2@3550,2773.76 3555,2768.76 3580,2768.76 3615,2733.76 R54B.2@3620,2733.76 R52B.1@3620,2676.24
DDIVIDEC: R52C.1 R53C.2 R54C.2 | length 144.1
  Top Layer w20: R53C.2@3420,2773.76 3425,2768.76 3450,2768.76 3485,2733.76 R54C.2@3490,2733.76 R52C.1@3490,2676.24
DDIVIDED: R52D.1 R53D.2 R54D.2 | length 144.1
  Top Layer w20: R53D.2@3290,2773.76 3295,2768.76 3320,2768.76 3355,2733.76 R54D.2@3360,2733.76 R52D.1@3360,2676.24
DIN1: D19A.K J4.B7 R52A.2 | length 292.4
  Top Layer w20: D19A.K@3685,2617.76 3687,2615.76 3720,2615.76 3720,2360.42 J4.B7@3719.13,2359.55
DIN2: D19B.K J4.B15 R52B.2 | length 435.9
  Top Layer w20: D19B.K@3555,2617.76 3557,2615.76 3618,2615.76 3618,2547 3660.08,2504.92 J4.B15@3660.08,2261.12
DIN3: D19C.K J4.B23 R52C.2 | length 614.1
  Top Layer w15: 3543.52,2335.73 3571.89,2307.36 3582.64,2307.36 3602.58,2287.42
  Top Layer w20: D19C.K@3425,2617.76 3427,2615.76 3488,2615.76 R52C.2@3490,2613.76 3490,2475 3543.52,2421.48 3543.52,2335.73 ; 3602.58,2287.42 3602.58,2200.51 J4.B23@3660.08,2143.01
DIN4: D19D.K J4.B32 R52D.2 | length 832.9
  Top Layer w15: 3425.41,2335.73 3447.69,2313.45 3449.31,2313.45 3486.97,2275.79 3486.97,2238.34 3525.27,2200.04 3562.72,2200.04 3601.02,2161.74 3601.02,2124.29 3637.3,2088.01 3675.71,2088.01 J4.B32@3719.13,2044.59
  Top Layer w20: D19D.K@3295,2617.76 3297,2615.76 3358,2615.76 R52D.2@3360,2613.76 3365,2613.76 3370,2608.76 3370,2603.76 3425.41,2548.35 3425.41,2335.73
DOUT1: C46A.2 D18A.K R53A.1 U1.45 | length 1019.3
  Top Layer w10: v1(3705,3050) 3745,3010 D18A.K@3745,2952.24 ; v1(4260,3210) 4260,3213.69 4272.79,3226.48 U1.45@4272.79,3304.92
  Top Layer w20: R53A.1@3680,2836.24 C46A.2@3680,2893.76 3685,2893.76 3690,2898.76 3690,2899.53 3742.72,2952.24 D18A.K@3745,2952.24
  Bottom Layer w10: v1(3705,3050) 3705,3111.91 3748.09,3155 4205,3155 v1(4260,3210)
DOUT2: C46B.2 D18B.K R53B.1 U1.44 | length 1023.1
  Top Layer w10: D18B.K@3615,2952.24 3615,3005 v1(3660,3050) ; v1(4215.92,3208.01) 4253.11,3245.19 U1.44@4253.11,3304.92
  Top Layer w20: R53B.1@3550,2836.24 C46B.2@3550,2893.76 3555,2893.76 3560,2898.76 3560,2899.53 3612.72,2952.24 D18B.K@3615,2952.24
  Bottom Layer w10: v1(3660,3050) 3660,3094.09 3738.91,3173 4180.92,3173 v1(4215.92,3208.01)
DOUT3: C46C.2 D18C.K R53C.1 U1.43 | length 1099.8
  Top Layer w10: D18C.K@3485,2952.24 3485,2990 3528.42,3033.42 3588.42,3033.42 v1(3610,3055) ; v1(4170,3215) 4172.61,3217.61 4187.61,3217.61 4232.64,3262.64 4232.64,3304.15 U1.43@4233.42,3304.92
  Top Layer w20: R53C.1@3420,2836.24 C46C.2@3420,2893.76 3425,2893.76 3430,2898.76 3430,2899.53 3482.72,2952.24 D18C.K@3485,2952.24
  Bottom Layer w10: v1(3610,3055) 3611.69,3056.69 3611.69,3076.69 3726,3191 4146,3191 v1(4170,3215)
DOUT4: C46D.2 D18D.K R53D.1 U1.42 | length 1202.5
  Top Layer w10: D18D.K@3355,2952.24 3355,3010 3405.23,3060.23 v1(3570,3060.23) ; v1(4125,3225) 4145,3245 4182.04,3245 4212.96,3275.92 4212.96,3304.14 U1.42@4213.74,3304.92
  Top Layer w20: R53D.1@3290,2836.24 C46D.2@3290,2893.76 3295,2893.76 3300,2898.76 3300,2899.53 3352.72,2952.24 D18D.K@3355,2952.24
  Bottom Layer w10: v1(3570,3060.23) 3570,3060.46 3719.54,3210 4110,3210 v1(4125,3225)